# Altium PCB MB1272C.PcbDoc (part 8 of 10)
Units mm, origin at the board's own origin, x right, y up, seen from the top; angles counter-clockwise.
Board outline 101 x 71 mm, 6 copper layers (Top Layer, Signal Layer 1, Signal Layer 2, Signal Layer 3, Signal Layer 4, Bottom Layer), stack 1.552 mm thick; 520 components, 478 nets, 2156 pads, 1894 vias.
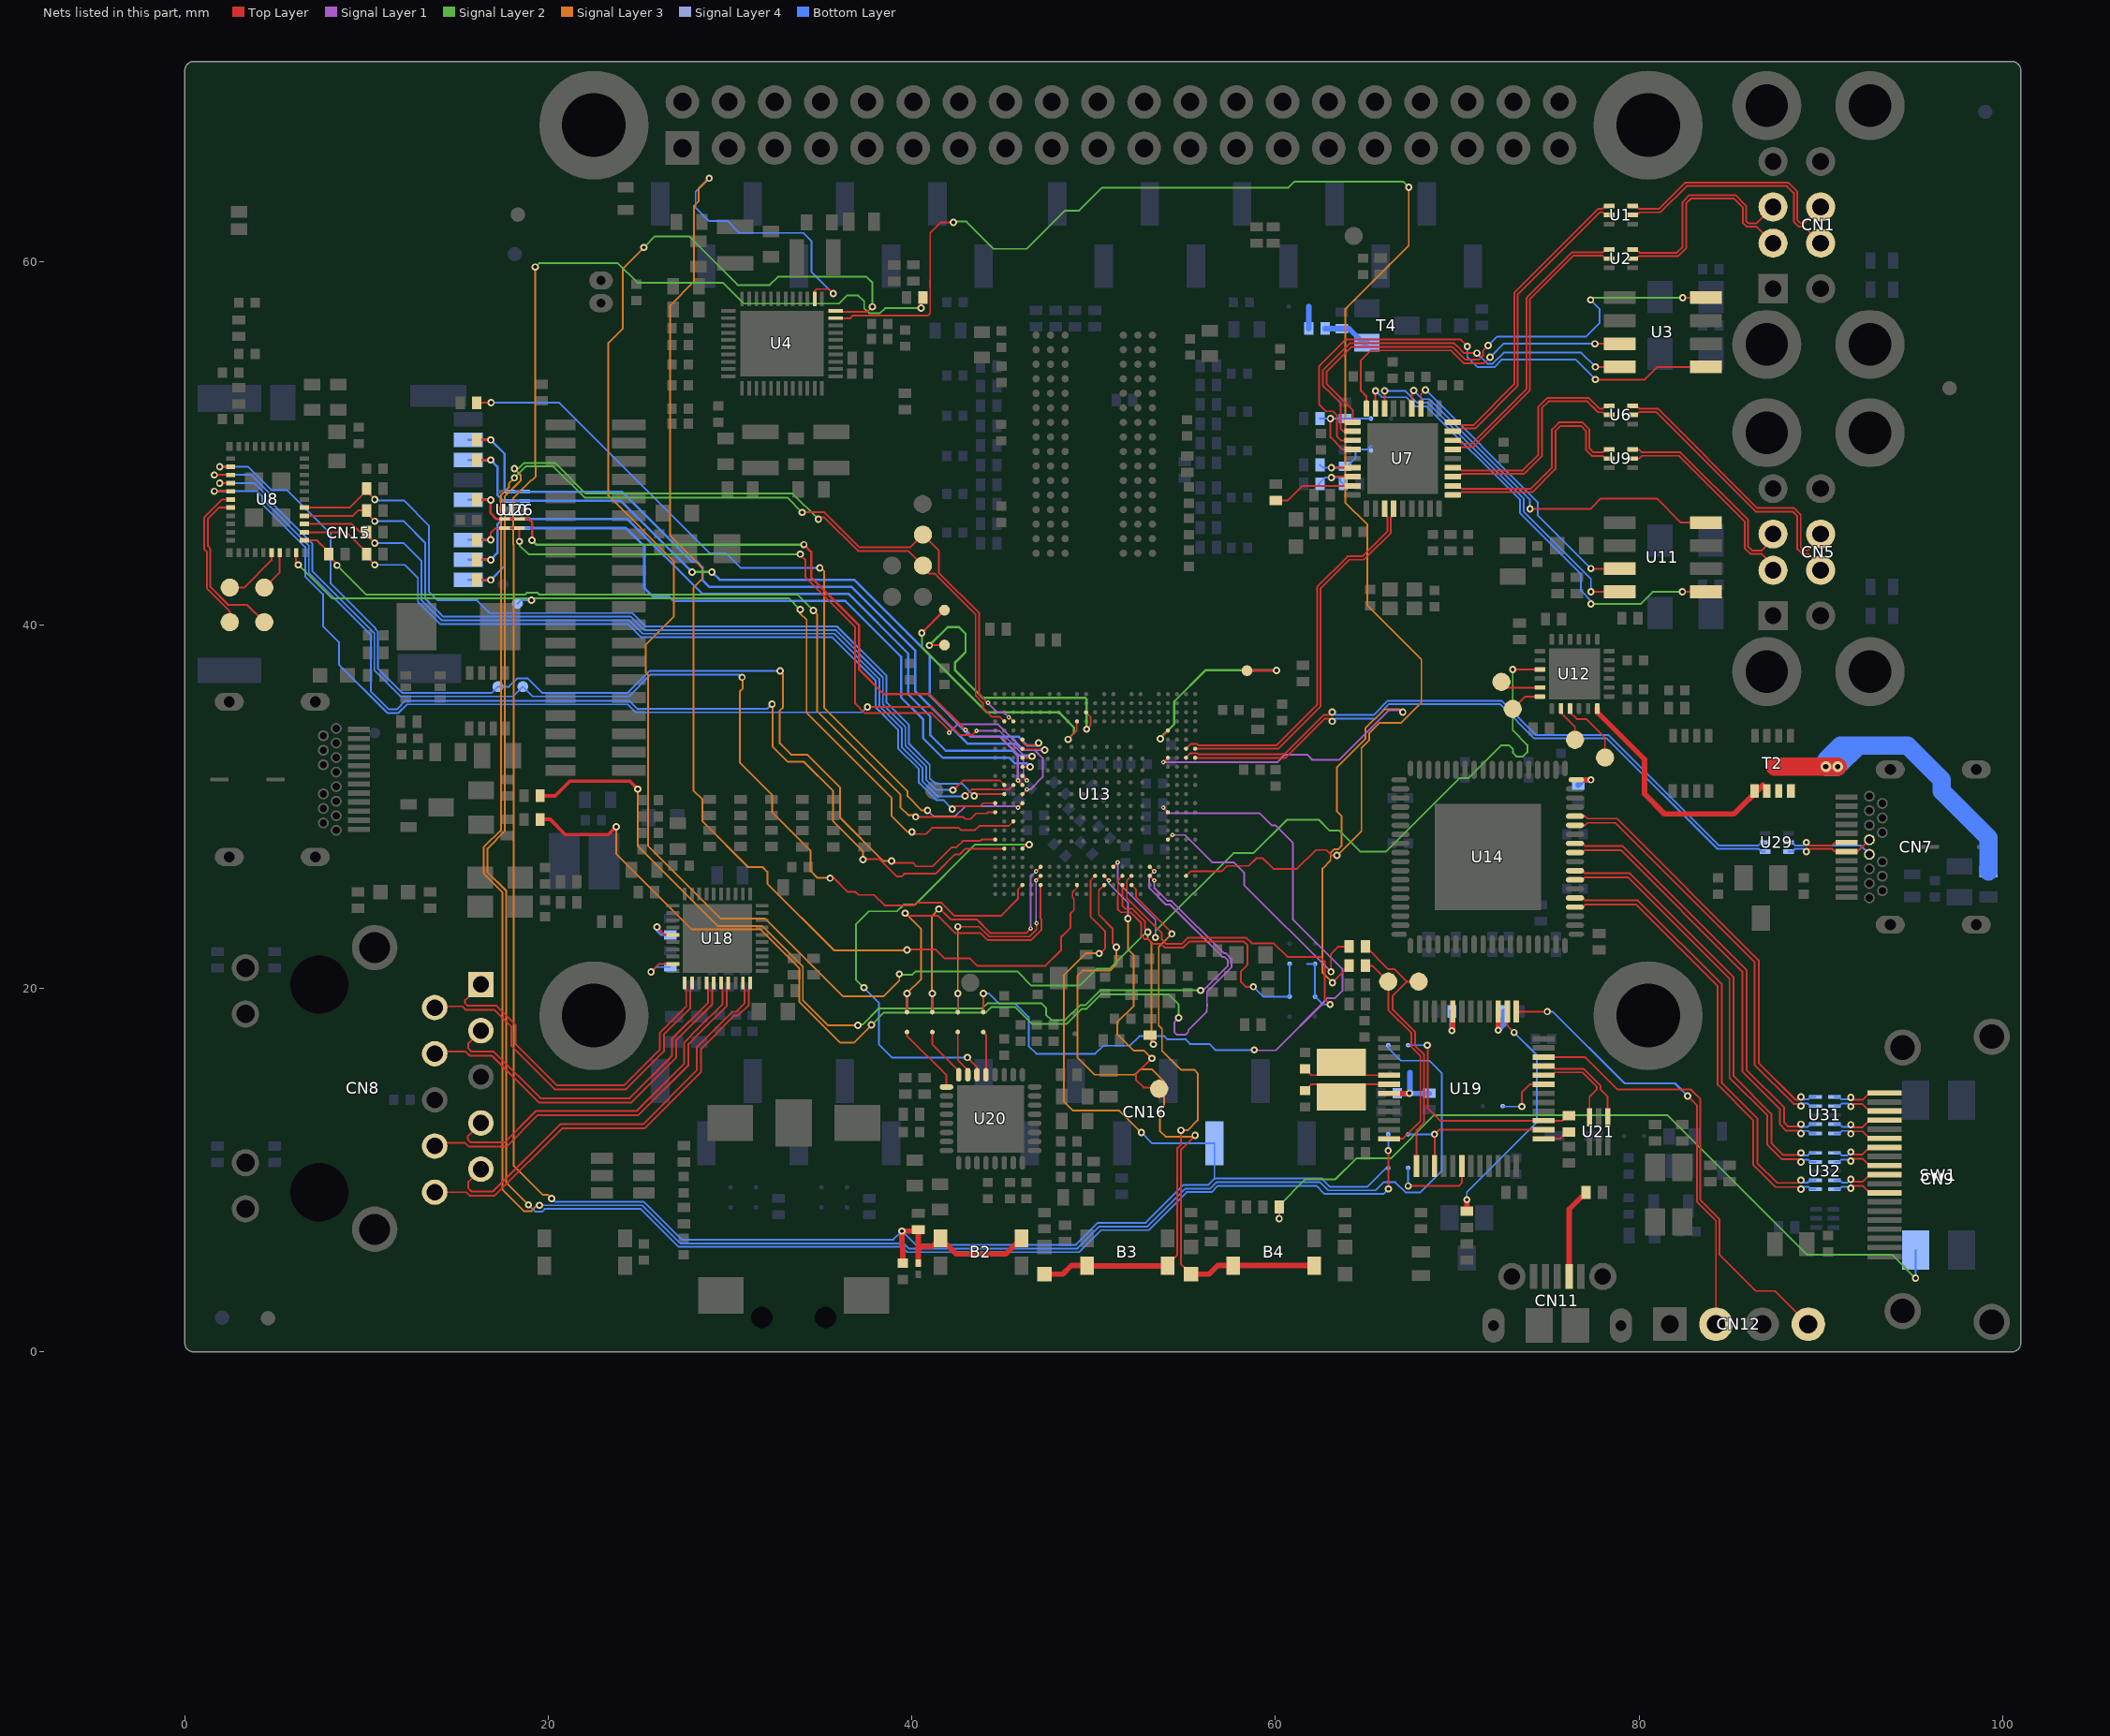
[diagram p12: the nets of this part, all layers, seen from the top]

## Via types
v1: diameter 0.4, hole 0.2, Top Layer to Bottom Layer, tented both sides, 912 vias
v2: diameter 0.25, hole 0.1, Top Layer to Signal Layer 1, tented top, 493 vias
v3: diameter 0.6, hole 0.3, Top Layer to Bottom Layer, tented both sides, 452 vias
v4: diameter 0.25, hole 0.1, Top Layer to Signal Layer 1, tented both sides, 37 vias

## Nets (pads, with @x,y where several pads share a name; then routed paths per layer and width w, separated by ;. In a path a pad name is that pad's centre, name@x,y a point inside that pad or via, vN(x,y) a via of type N, cw(c..) or ccw(c..) an arc to the next point about the centre after c; other vN are vias at no path point) (continued)
NetR102_1: R102.1 SW1.4 | length 43.7
  Top Layer w0.1: v1(60.2,7.325) R102.1@60.2,7.975
  Signal Layer 2 w0.1: v1(60.2,7.325) 60.2,8.05 61.65,9.5 63.3,9.5 64.45,10.65 66.35,10.65 68.725,13.025 81.55,13.025 89.225,5.35 93.91,5.35 v1(95.205,4.055)
  Bottom Layer w0.1: v1(95.205,4.055) SW1.4@95.205,5.6
NetR119_2: R119.2 R120.2 T4.1 | length 2.6
  Bottom Layer w0.3: R120.2@62.725,56.3 R119.2@63.65,56.3 64.05,56.3 64.825,55.525 T4.1@65.025,55.525
NetR120_1: R120.1 SB6.2 | length 1.2
  Bottom Layer w0.3: R120.1@61.825,56.3 SB6.2@61.825,57.525
NetR127_1: R127.1 R129.2 SB7.2 U7.22 | length 5.3
  Top Layer w0.1: v1(63.025,51.35) 63.025,50.325 63.7,49.65 U7.22@64.25,49.65
  Bottom Layer w0.1: R129.2@62.45,51.35 v1(63.025,51.35) R127.1@63.825,51.35 SB7.2@65.25,51.35
NetR134_1: R134.1 R137.2 SB8.2 U7.24 | length 4.7
  Top Layer w0.1: v1(63.075,48.65) U7.24@64.25,48.65
  Bottom Layer w0.1: R137.2@62.45,48.8 62.6,48.65 v1(63.075,48.65) 63.75,48.65 R134.1@63.825,48.725 63.95,48.725 64.4,49.175 64.4,49.525 64.525,49.65 65.05,49.65 65.25,49.85
NetR139_2: R139.2 R140.1 U7.25 | length 3
  Top Layer w0.1: v1(63.075,48.1) 63.075,48.075 63.15,48.15 U7.25@64.25,48.15
  Bottom Layer w0.1: R140.1@62.375,47.675 62.375,47.75 62.725,48.1 v1(63.075,48.1) ; v1@63.05,48.125 63.45,48.125 63.55,48.025 63.55,47.925 R139.2@63.725,47.75
NetR149_2: R149.2 U14.72 | length 1.6
  Top Layer w0.3: U14.72@76.55,31.475 v1(77.35,31.475)
  Bottom Layer w0.3: R149.2@76.65,31.175 76.95,31.475 v1(77.35,31.475)
NetR150_2: R150.2 T2.5 T2.6 T2.7 T2.8 U12.18 | length 35.7
  Top Layer w0.3: U12.18@77.7,35.4 77.7,35.2 80.3,32.6 80.3,30.7 81.4,29.6 85.225,29.6 86.8,31.175
  Top Layer w1: 87.475,32.2 v3(90.275,32.2) v3(90.925,32.2)
  Signal Layer 1 w0.6: v3(90.275,32.2) v3(90.925,32.2)
  Signal Layer 2 w0.6: v3(90.275,32.2) v3(90.925,32.2)
  Signal Layer 3 w0.6: v3(90.275,32.2) v3(90.925,32.2)
  Signal Layer 4 w0.6: v3(90.275,32.2) v3(90.925,32.2)
  Bottom Layer w1: R150.2@99.225,26.425 99.225,28.275 96.65,30.85 96.65,31.475 94.775,33.35 92.075,33.35 ; 92.075,33.35 v3(90.925,32.2) v3(90.275,32.2) 90.275,32.55 91.075,33.35 92.075,33.35
NetR153_2: R153.2 U18.35 | length 2.1
  Top Layer w0.13: v1(25.975,23.375) 26.4,22.95 U18.35@26.85,22.95
  Bottom Layer w0.13: v1(25.975,23.375) 25.975,23.175 26.2,22.95 R153.2@26.7,22.95
NetR155_1: R155.1 U18.39 | length 2.6
  Top Layer w0.1: v1(25.65,20.9) 26.1,21.35 U18.39@26.85,21.35
  Bottom Layer w0.1: v1(25.65,20.9) 25.925,21.175 R155.1@26.7,21.175
NetR159_2: R159.2 U19.44 | length 2.1
  Top Layer w0.3: v1(69.7,17.675) 69.75,17.725 U19.44@69.75,18.725
  Bottom Layer w0.3: v1(69.7,17.675) R159.2@69.7,18.725
NetR600_2: R600.2 U7.26 | length 4.6
  Top Layer w0.1: R600.2@60.006,46.85 60.675,46.85 61.475,47.65 U7.26@64.25,47.65
NetSB9_1: SB9.1 SB12.2 U13.T3 | length 19.9
  Top Layer w0.09: 51.83,24.94 51.83,25.94 U13.T3@52.08,26.19
  Top Layer w0.1: 51.83,24.94 51.841,24.94 53.747,23.034 53.747,22.684 53.981,22.45 54.846,22.45 55.171,22.775 58.395,22.775 58.691,22.479 59.866,22.479 59.87,22.475 59.912,22.475 60.647,21.74 62.455,21.74 62.705,21.49 62.705,19.416 v1(63.006,19.115)
  Bottom Layer w0.1: 61.725,21.35 SB9.1@62.175,21.35 SB12.2@62.175,19.55 62.61,19.115 v1(63.006,19.115)
NetSB10_1: SB10.1 SB11.2 U13.R3 | length 17.6
  Top Layer w0.09: 51.33,25.04 51.33,25.94 U13.R3@51.58,26.19
  Top Layer w0.1: 51.33,25.04 51.33,24.34 51.48,24.19 52.025,24.19 52.605,23.61 52.605,22.902 52.793,22.715 52.975,22.715 53.24,22.45 53.699,22.45 53.899,22.25 54.929,22.25 55.254,22.575 58.27,22.575 58.46,22.385 58.46,21.295 58.105,20.94 58.105,20.34 58.355,20.09 v1(58.78,20.09)
  Bottom Layer w0.1: v1(58.78,20.09) 59.32,19.55 SB11.2@60.775,19.55 SB10.1@60.775,21.35
NetTP6_1: TP6.1 U8.17 | length 3.3
  Top Layer w0.1: TP6.1@2.475,42.05 3.275,42.05 4.775,43.55 U8.17@4.775,43.975
NetTP7_1: TP7.1 U8.18 | length 2.3
  Top Layer w0.1: TP7.1@4.375,42.05 5.225,42.9 U8.18@5.225,43.975
NetTP10_1: TP10.1 U13.K20 | length 14.8
  Top Layer w0.09: v1(48.59,33.7) 49.07,34.18 49.07,34.69 U13.K20@49.08,34.69
  Top Layer w0.12: v1(40.54,39.56) TP10.1@41.79,40.81 ; U13.K20@49.08,34.596 U13.K20@49.08,34.69
  Signal Layer 2 w0.12: v1@40.553,39.565 40.553,38.752 44.11,35.195 48.069,35.195 48.91,34.354 48.91,34.056 v1@48.6,33.746
NetTP11_1: TP11.1 U8.6 | length 8.2
  Top Layer w0.1: TP11.1@2.475,40.15 2.475,40.742 1.213,42.004 1.213,44.025 1.074,44.164 1.074,45.927 2.047,46.9 U8.6@2.525,46.9
NetTP12_1: TP12.1 U8.7 | length 9.1
  Top Layer w0.1: 1.274,44.795 1.274,44.326 1.413,44.187 1.413,42.087 2.4,41.1 3.425,41.1 TP12.1@4.375,40.15 ; 1.274,45.405 1.274,45.844 1.88,46.45 U8.7@2.525,46.45 ; 1.275,44.796 1.275,45.404
NetTP13_1: TP13.1 U13.L21 | length 16.3
  Top Layer w0.09: v1(40.96,38.87) 40.98,38.89 TP13.1@41.79,38.89 ; U13.L21@49.58,35.19 49.83,34.94 49.83,34.48 v1(49.61,34.26)
  Signal Layer 2 w0.12: 42.915,36.96 43.88,35.995 47.77,35.995
  Signal Layer 2 w0.127: v1@40.97,38.875 41.96,39.865 42.6,39.865 42.95,39.515 42.95,38.505 42.38,37.935 42.38,37.495 42.915,36.96 ; 47.77,35.995 49.52,35.995 49.62,35.895 v1@49.62,34.265
NetTP14_1: TP14.1 U13.Y19 | length 11
  Top Layer w0.09: v1(53.66,33.73) 54.08,34.15 U13.Y19@54.08,34.19
  Top Layer w0.127: TP14.1@58.43,37.48 60.05,37.48 v1(60.06,37.49)
  Signal Layer 2 w0.127: v1@53.67,33.735 53.67,33.786 54.425,34.541 54.425,35.78 56.14,37.495 v1@60.07,37.495
NetTP15_1: TP15.1 U12.11 | length 2.3
  Top Layer w0.1: TP15.1@72.43,36.865 72.745,36.55 U12.11@74.55,36.55
NetTP16_1: TP16.1 U12.12 | length 1.8
  Top Layer w0.1: TP16.1@73.05,35.375 73.725,36.05 U12.12@74.55,36.05
NetTP17_1: TP17.1 U12.14 | length 2
  Top Layer w0.1: U12.14@75.7,35.4 75.7,35.175 76.475,34.4 TP17.1@76.475,33.675
NetTP18_1: TP18.1 U12.15 | length 3.8
  Top Layer w0.1: U12.15@76.2,35.4 76.2,35.2 76.575,34.825 77.1,34.825 78.125,33.8 TP18.1@78.125,32.7
NetTP23_1: TP23.1 U13.N3 | length 15.3
  Top Layer w0.1: U13.N3@50.58,26.19 v2(50.83,25.94) ; v1(53.2,16.15) 52.325,15.275 52.325,14.97 52.747,14.547 53.528,14.547 TP23.1@53.6,14.475
  Signal Layer 1 w0.1: v2(50.83,25.94) 50.83,25.779 51.88,24.728 v1(51.88,23.84)
  Signal Layer 3 w0.1: v1(51.88,23.84) 51.88,22.145 52.2,21.825 52.2,19.05 51.3,18.15 51.3,17.475 52.2,16.575 52.775,16.575 v1(53.2,16.15) 53.2,16.165 v1@53.165,16.2
NOTOC1: U7.13 U11.8 | length 20.9
  Top Layer w0.1: U7.13@67.5,51.9 67.5,52.8 v1(67.6,52.9) ; v1(74,46.375) 77.325,46.375 77.9,46.95 80.975,46.95 82.295,45.63 U11.8@83.675,45.63
  Bottom Layer w0.1: v1(67.6,52.9) 68.079,52.421 68.471,52.421 74,46.892 v1(74,46.375)
NOTOC2: U7.17 U11.5 | length 25.4
  Top Layer w0.1: U7.17@65.5,51.9 v1(65.5,52.875) ; v1(82.38,41.82) U11.5@83.675,41.82
  Signal Layer 2 w0.1: v1(77.35,41.15) 80.075,41.15 80.745,41.82 v1(82.38,41.82)
  Bottom Layer w0.1: v1(65.5,52.875) 65.505,52.875 65.855,52.525 67,52.525 67.001,52.524 67.199,52.524 67.701,52.021 68.305,52.021 73.45,46.876 73.45,46.147 76.8,42.797 76.8,41.88 77.35,41.33 v1(77.35,41.15)
NOTOC3: U3.8 U7.19 | length 28.1
  Top Layer w0.1: U7.19@64.25,51.15 64.25,51.819 62.8,53.269 62.8,53.917 64.183,55.3 69.733,55.3 70.433,54.6 71.22,54.6 71.425,54.805 71.425,55.1 v1(71.7,55.375) ; v1(82.4,58) 82.405,58.005 U3.8@83.675,58.005
  Signal Layer 2 w0.1: v1(77.33,57.881) 77.449,58 v1(82.4,58)
  Bottom Layer w0.1: v1(71.7,55.375) 72.175,55.85 77.075,55.85 77.825,56.6 77.825,57.386 v1(77.33,57.881)
NOTOC4: U3.5 U7.21 | length 29.3
  Top Layer w0.1: U7.21@64.25,50.15 63.6,50.15 63.375,50.375 63.375,51.534 63.159,51.75 62.764,51.75 62.4,52.114 62.4,54.25 63.85,55.7 70.2,55.7 70.575,55.325 v1(70.55,55.325) ; v1(77.6,53.5) 80.325,53.5 81.02,54.195 U3.5@83.675,54.195
  Bottom Layer w0.1: v1(70.55,55.325) 70.55,54.75 71.125,54.175 72.033,54.175 72.458,54.6 76.5,54.6 v1(77.6,53.5)
NRST: B2.1 B2.2 C115.2 CN16.3 R6.1 R109.1 SB22.2 U13.M3 U35.1 | length 163
  Top Layer w0.09: 49.83,24.875 49.83,25.94 U13.M3@50.08,26.19
  Top Layer w0.1: v1(40.5,57.425) 40.5,57.775 40.75,58.025 R6.1@40.8,58.025 ; 49.83,24.875 49.83,23.934 50.074,23.69 50.075,23.69 50.63,23.135 50.63,22.2 50.475,22.045 50.475,22.035 50.305,21.865 50.3,21.87 v1(50.3,21.925)
  Top Layer w0.3: C115.2@39.5,4.875 39.5,5.75 39.45,5.8 v1(39.45,6.65) 40.275,6.65 R109.1@40.35,6.725 40.35,5.8 ; U35.1@40.375,4.887 40.35,4.912 40.35,5.8 ; B2.2@46.025,6.25 45.165,5.39 42.435,5.39 B2.1@41.575,6.25 41.125,5.8 40.35,5.8
  Signal Layer 2 w0.1: v1(19.28,59.69) 19.493,59.903 23.822,59.903 24.9,58.825 29.6,58.825 30.75,57.675 35.975,57.675 36.425,58.125 37.05,58.125 37.375,57.8 37.375,57.425 37.65,57.15 38.25,57.15 38.525,57.425 v1(40.5,57.425)
  Signal Layer 3 w0.1: v1(19.28,59.69) 19.28,48.69 19.305,48.665 19.305,48.17 19.1,47.965 19.066,47.965 18.06,46.959 18.06,44.445 18.084,44.421 18.084,10.264 19.708,8.64 19.98,8.64 v1(20.18,8.44) ; v1(50.3,21.925) 49.56,21.925 48.35,20.715 48.35,13.775 48.85,13.275 51.4,13.275 v1@52.625,12.05
  Bottom Layer w0.1: v1(20.18,8.44) 20.355,8.265 25.247,8.265 27.337,6.175 38.975,6.175 v1(39.45,6.65) 40.21,5.89 49.023,5.89 50.233,7.1 52.863,7.1 54.953,9.19 56.315,9.19 56.65,9.525 56.64,9.535 ; v1(52.625,12.075) 53.225,11.475 CN16.3@56.64,11.475 56.64,9.535 ; SB22.2@66.2,10.125 66.1,10.125 65.065,9.09 62.988,9.09 62.543,9.535 56.64,9.535
OSC_IN: C98.1 U19.5 X5.2 | length 5.3
  Top Layer w0.1: C98.1@61.625,15.575 61.975,15.225 62.925,15.225 X5.2@63.625,15.925 64.325,15.225 U19.5@66.25,15.225
OSC_OUT: C99.1 U19.6 X5.1 | length 5.3
  Top Layer w0.1: C99.1@61.625,14.375 61.975,14.725 62.925,14.725 X5.1@63.625,14.025 64.325,14.725 U19.6@66.25,14.725
PA0_WKUP: U4.43 U13.AB3 | length 90.7
  Top Layer w0.09: U13.AB3@55.08,26.19 55.33,26.44 56.08,26.44
  Top Layer w0.1: U4.43@35.8,56.875 36.614,56.875 36.764,57.025 40.9,57.025 41.005,57.13 41.005,58.584 41,58.589 41,58.961 41.005,58.966 41.005,61.572 41.575,62.142 v1(42.28,62.142) ; 56.08,26.44 57.036,26.44 57.336,26.74 58.53,26.74 58.955,27.165 59.305,27.165 59.891,26.579 61.186,26.579 62.222,27.615 62.8,27.615 63.1,27.315 v1(63.38,27.315)
  Signal Layer 2 w0.1: v1(42.28,62.142) 42.28,62.19 42.992,62.19 44.492,60.69 46.318,60.69 48.418,62.79 49.205,62.79 50.47,64.055 60.722,64.055 61.057,64.39 67.015,64.39 v1(67.33,64.075)
  Signal Layer 3 w0.1: v1(63.38,27.315) 63.388,27.315 64.73,28.657 64.73,33.232 65.145,33.647 65.145,34.025 65.735,34.615 66.91,34.615 68.025,35.73 68.025,38.094 65.055,41.064 65.055,45.515 63.83,46.74 63.83,57.365 67.33,60.865 v1(67.33,64.075)
PA13: B4.1 B4.2 LD6.2 U13.N2 | length 37.4
  Top Layer w0.1: U13.N2@50.58,25.69 50.28,25.39 50.28,24.051 51.03,23.301 51.03,22.495 v1(51.25,22.275) ; LD6.2@55.35,4.275 54.8,4.825 54.8,11.135 v1(55.58,11.915)
  Top Layer w0.3: LD6.2@55.35,4.275 56.35,4.275 56.825,4.75 B4.2@57.675,4.75 B4.1@62.125,4.75
  Signal Layer 3 w0.1: v1(51.25,22.275) 51.25,21.335 50.89,20.975 49.4,20.975 49.1,20.675 49.1,16.2 50.05,15.25 52.275,15.25 52.575,15.55 53.195,15.55 53.875,14.87 53.875,13.536 53.65,13.311 53.65,12.14 53.68,12.11 53.95,11.84 55.505,11.84 v1(55.58,11.915)
PA14: B3.1 B3.2 LD5.2 U13.T2 | length 31.6
  Top Layer w0.09: U13.T2@52.08,25.69 52.33,25.44 52.33,25.065
  Top Layer w0.1: 52.33,25.065 52.33,25.017 54.297,23.05 v1(54.297,23) ; B3.1@54.075,4.75 54.075,4.815 54.6,5.34 54.6,11.218 54.805,11.423 v1(54.805,12.19)
  Top Layer w0.3: LD5.2@47.3,4.275 48.3,4.275 48.775,4.75 B3.2@49.625,4.75 49.65,4.725 53.935,4.725 54.075,4.585 B3.1@54.075,4.75
  Signal Layer 3 w0.1: v1(54.297,23) 53.575,22.278 53.575,17.949 53.755,17.769 53.755,16.567 54.797,15.525 55.525,15.525 55.725,15.325 55.725,12.75 55.165,12.19 v1(54.805,12.19)
PMIC_WAKEUP: U4.2 U13.K2 | length 79.3
  Top Layer w0.09: 48.455,23.065 48.715,23.325 48.715,24.106 48.915,24.306 48.915,24.916 48.83,25.001 48.83,25.294 49.08,25.544 U13.K2@49.08,25.69
  Top Layer w0.1: U4.2@34.65,57.925 34.65,58.375 34.75,58.475 35.45,58.475 v1@35.675,58.25 ; v1(39.73,22.115) 39.78,22.065 39.855,22.14 41.305,22.14 41.8,21.645 43.194,21.645 43.589,21.25 47.345,21.25 48.205,22.11 48.205,22.815 48.455,23.065
  Signal Layer 3 w0.1: v1(28.85,64.575) 28.275,64 28.275,63.311 28,63.036 28,58.878 26.7,57.578 26.7,44.898 28.462,43.136 28.462,42.529 27.98,42.047 27.98,30.89 28.475,30.395 28.475,29.195 30.995,26.675 31.786,26.675 32.05,26.411 32.05,25.756 35.716,22.09 39.705,22.09 v1(39.73,22.115)
  Bottom Layer w0.1: v1(28.85,64.575) 28.1,63.825 28.1,62.955 28.83,62.225 29.845,62.225 30.506,61.564 34.031,61.564 34.475,61.12 34.475,59.425 v1(35.675,58.225)
PRTPWR1: U7.12 U11.3 | length 16.3
  Top Layer w0.1: U7.12@68,51.9 68,52.675 v1(68.25,52.925) ; v1(77.35,43.1) 77.36,43.09 U11.3@78.925,43.09
  Bottom Layer w0.1: v1(68.25,52.925) 74.425,46.75 74.425,46.025 v1(77.35,43.1)
PRTPWR2: U7.16 U11.4 | length 19.3
  Top Layer w0.1: U7.16@66,51.9 v1(66,52.875) ; v1(77.35,41.825) 78.92,41.825 U11.4@78.925,41.82
  Bottom Layer w0.1: v1(66,52.875) 67.13,52.875 67.784,52.221 68.388,52.221 73.65,46.959 73.65,46.23 77.35,42.53 v1(77.35,41.825)
PRTPWR3: U3.3 U7.18 | length 18
  Top Layer w0.1: U7.18@65,51.9 65,52.575 64.7,52.875 64.7,54.559 65.241,55.1 69.65,55.1 70.35,54.4 71.475,54.4 v1(71.8,54.725) ; v1(77.575,55.465) U3.3@78.925,55.465
  Bottom Layer w0.1: v1(71.8,54.725) 72.54,55.465 v1(77.575,55.465)
PRTPWR4: U3.4 U7.20 | length 22.3
  Top Layer w0.1: U7.20@64.25,50.65 63.725,50.65 63.575,50.8 63.575,52.211 63.111,52.675 63.1,52.675 62.6,53.175 62.6,54 64.1,55.5 69.816,55.5 69.966,55.35 69.975,55.35 70.375,54.95 v1(71.075,54.95) ; v1(77.6,54.195) U3.4@78.925,54.195
  Bottom Layer w0.1: v1(71.075,54.95) 71.65,54.375 71.95,54.375 72.55,54.975 76.82,54.975 v1(77.6,54.195)
PWR_EXT: R158.1 U19.39 | length 2.2
  Top Layer w0.3: v1(72.25,17.7) U19.39@72.25,18.725
  Bottom Layer w0.3: v1(72.25,17.7) 72.55,18 R158.1@72.55,18.725
PWR_ON: R302.2 U4.44 U13.R2 | length 97.2
  Top Layer w0.1: U4.44@35.8,57.275 35.85,57.225 37.525,57.225 37.8,57.5 v1(37.825,57.5) ; U13.R2@51.58,25.69 51.58,24.54 51.73,24.39 52.108,24.39 52.805,23.693 52.805,23.265 v1(52.98,23.09) ; R302.2@53.245,17.45 53.245,16.895 v1(53.275,16.925)
  Signal Layer 2 w0.1: v1(25.255,60.765) 25.865,61.375 27.739,61.375 30.414,58.7 32.175,58.7 32.625,59.15 37.5,59.15 37.825,58.825 v1(37.825,57.5) ; v1(39.305,20.79) 39.355,20.74 40,20.74 40.2,20.94 45.785,20.94 46.575,20.15 49.23,20.15 50.155,21.075 50.877,21.075 52.892,23.09 v1(52.98,23.09)
  Signal Layer 3 w0.1: v1(25.255,60.765) 24.1,59.61 24.1,56.322 23.3,55.522 23.3,47.108 26.9,43.508 26.9,40.45 25.35,38.9 25.35,37.387 25.475,37.262 25.475,27.845 29.48,23.84 31.934,23.84 36.199,19.575 38.45,19.575 39.305,20.43 v1(39.305,20.79) ; v1(52.98,23.09) 52.98,22.71 53.18,22.51 53.18,21.655 53.175,21.65 53.175,17.025 v1(53.275,16.925)
RJ45_D1_N: CN8.2 U18.2 | length 20.4
  Top Layer w0.1: CN8.2@13.75,18.945 13.817,19.012 15.262,19.012 15.45,18.825 17.025,18.825 17.97,17.88 17.97,16.83 20.355,14.445 24.27,14.445 26.355,16.53 26.355,17.455 27.815,18.915 27.815,19.915 27.9,20 U18.2@27.9,20.3
RJ45_D1_P: CN8.1 U18.1 | length 20.3
  Top Layer w0.1: CN8.1@16.29,19.61 CN8.1@16.29,20.215 15.425,19.35 15.425,19.175 15.545,19.055 17.12,19.055 18.2,17.975 18.2,16.925 20.45,14.675 24.175,14.675 26.125,16.625 26.125,17.55 27.585,19.01 27.585,19.94 27.5,20.025 U18.1@27.5,20.3
RJ45_D2_N: CN8.4 U18.5 | length 20.5
  Top Layer w0.1: CN8.4@13.75,16.405 13.882,16.537 15.437,16.537 15.68,16.295 16.905,16.295 19.475,13.725 24.575,13.725 27.03,16.18 27.03,17.13 29.015,19.115 29.015,19.915 29.1,20 U18.5@29.1,20.3
RJ45_D2_P: CN8.3 U18.4 | length 19.9
  Top Layer w0.1: CN8.3@16.7,17.675 CN8.3@16.29,17.675 15.6,16.985 15.6,16.7 15.775,16.525 17,16.525 19.57,13.955 24.48,13.955 26.8,16.275 26.8,17.225 28.785,19.21 28.785,19.915 28.7,20 U18.4@28.7,20.3
RJ45_D3_N: CN8.8 U18.7 | length 21.4
  Top Layer w0.1: CN8.8@13.75,11.325 13.937,11.512 15.412,11.512 15.63,11.295 17.684,11.295 19.414,13.025 24.95,13.025 27.705,15.78 27.705,16.93 28.42,17.645 29.815,19.04 29.815,19.915 29.9,20 U18.7@29.9,20.3
RJ45_D3_P: CN8.7 U18.6 | length 20.3
  Top Layer w0.1: CN8.7@16.29,12.595 15.575,11.88 15.575,11.675 15.725,11.525 17.588,11.525 19.318,13.255 24.855,13.255 27.475,15.875 27.475,17.025 28.19,17.74 29.585,19.135 29.585,19.915 29.5,20 U18.6@29.5,20.3
RJ45_D4_N: CN8.10 U18.10 | length 23.7
  Top Layer w0.1: CN8.10@13.75,8.785 15.49,8.785 15.68,8.595 17.045,8.595 20.75,12.3 25.3,12.3 28.405,15.405 28.405,16.68 30.225,18.5 30.425,18.5 31.025,19.1 31.025,19.95 31.1,20.025 U18.10@31.1,20.3
RJ45_D4_P: CN8.9 U18.9 | length 22.8
  Top Layer w0.1: CN8.9@16.29,10.055 15.6,9.365 15.6,9 15.775,8.825 16.95,8.825 20.655,12.53 25.205,12.53 28.175,15.5 28.175,16.775 30.13,18.73 30.33,18.73 30.795,19.195 30.795,19.93 30.7,20.025 U18.9@30.7,20.3
SAI2_FSA: SB1.1 U20.1 | length 3.9
  Top Layer w0.1: SB1.1@39.725,17.6 39.725,17.4 41.9,15.225 U20.1@41.9,14.575
SAI2_FSAM: SB1.2 SB16.2 U13.F2 | length 18
  Top Layer w0.1: v1(39.63,24.14) 39.78,23.99 41.435,23.99 42.38,23.045 43.773,23.045 44.169,22.65 46.548,22.65 47.13,23.233 47.13,23.79 47.08,23.84 U13.F2@47.08,25.69 ; SB1.2@39.725,18.7 v1(39.725,19.725)
  Signal Layer 3 w0.1: v1(39.63,24.14) 40.505,23.265 40.505,20.505 v1(39.725,19.725)
  Bottom Layer w0.1: SB16.2@39.725,18.7 v1(39.725,19.725)
SAI2_MCLKA: U13.D6 U20.30 | length 25.3
  Top Layer w0.1: v1(43.05,16.2) 43.575,15.675 U20.30@43.575,15.25 ; U13.D6@46.08,27.69 46.28,27.89 46.43,27.89 46.476,27.936 v1(46.455,27.915)
  Signal Layer 2 w0.1: v1(37.355,20.04) 36.93,20.464 36.93,23.535 37.635,24.24 39.18,24.24 39.555,24.615 40.173,24.615 43.474,27.915 v1(46.455,27.915)
  Bottom Layer w0.1: v1(37.355,20.04) 38.18,19.214 38.18,16.915 38.895,16.2 v1(43.05,16.2)
SAI2_SCKA: SB3.1 U20.31 | length 2.6
  Top Layer w0.09: SB3.1@42.525,17.6 42.525,16.05 43.075,15.5 U20.31@43.075,15.25
SAI2_SCKAM: SB3.2 SB14.2 U13.F3 | length 13.5
  Top Layer w0.09: v1(42.525,23.395) 43.699,23.395 44.249,22.845 46.467,22.845 46.855,23.233 v4(46.855,23.59)
  Top Layer w0.1: SB3.2@42.525,18.7 v1(42.525,19.725) ; v2(46.83,25.94) U13.F3@47.08,26.19
  Signal Layer 1 w0.09: v2(46.83,25.94) 46.83,23.615 v4(46.855,23.59)
  Signal Layer 3 w0.09: v1(42.525,19.725) v1(42.525,23.395)
  Bottom Layer w0.1: SB14.2@42.525,18.7 v1(42.525,19.725)
SAI2_SDA: SB2.1 U20.32 | length 3
  Top Layer w0.1: SB2.1@41.125,17.6 41.125,16.9 42.575,15.45 U20.32@42.575,15.25
SAI2_SDAM: SB2.2 SB15.2 U13.F4 | length 16.3
  Top Layer w0.1: SB2.2@41.125,18.7 v1(41.125,19.725) ; v1(41.48,24.365) 41.505,24.39 41.53,24.39 42.13,23.79 43.58,23.79 44.33,23.04 46.28,23.04 v4(46.53,23.29) ; v2(46.83,26.44) U13.F4@47.08,26.69
  Signal Layer 1 w0.1: v4(46.53,23.29) 46.53,26.14 v2(46.83,26.44)
  Signal Layer 2 w0.1: v1(41.48,24.365) v1@41.48,24.49
  Signal Layer 3 w0.1: v1(41.125,19.725) 41.105,19.745 41.105,23.99 v1(41.48,24.365)
  Bottom Layer w0.1: SB15.2@41.125,18.7 v1(41.125,19.725)
SAI2_SDB: SB4.1 U20.29 | length 2.4
  Top Layer w0.1: SB4.1@43.925,17.6 44.075,17.45 U20.29@44.075,15.25
SAI2_SDBM: SB4.2 SB13.2 U13.Y10 | length 43.8
  Top Layer w0.1: SB4.2@43.925,18.7 v1(43.925,19.725) ; v2(53.83,29.94) U13.Y10@54.08,29.69
  Signal Layer 1 w0.1: v2(53.83,29.94) 54.13,29.64 59.125,29.64 59.788,28.977 59.991,28.977 60.95,28.018 60.95,23.798 63.68,21.068 63.68,19.869 63.276,19.465 62.861,19.465 62.656,19.26 62.656,19.231 60.015,16.59 58.855,16.59 v1(58.83,16.615)
  Bottom Layer w0.1: SB13.2@43.925,18.7 v1(43.925,19.725) 44.235,19.725 44.81,19.15 45.7,19.15 46.425,18.425 46.425,16.825 46.85,16.4 50.075,16.4 50.525,16.85 51.985,16.85 52.51,17.375 53.888,17.375 54.073,17.19 54.775,17.19 55.075,17.19 55.075,17.175 55.3,16.95 56.35,16.95 56.685,16.615 v1(58.83,16.615)